# Altium PCB WordClock2.PcbDoc (part 2 of 3)
Units mil, origin at the board's own origin, x right, y up, seen from the top; angles counter-clockwise.
Board outline 10494.49 x 10494.49 mil, 2 copper layers (Top Layer, Bottom Layer), stack 61.811 mil thick; 527 components, 268 nets, 1646 pads, 74 vias.
Unrouted connection lines stored in the file: 1.
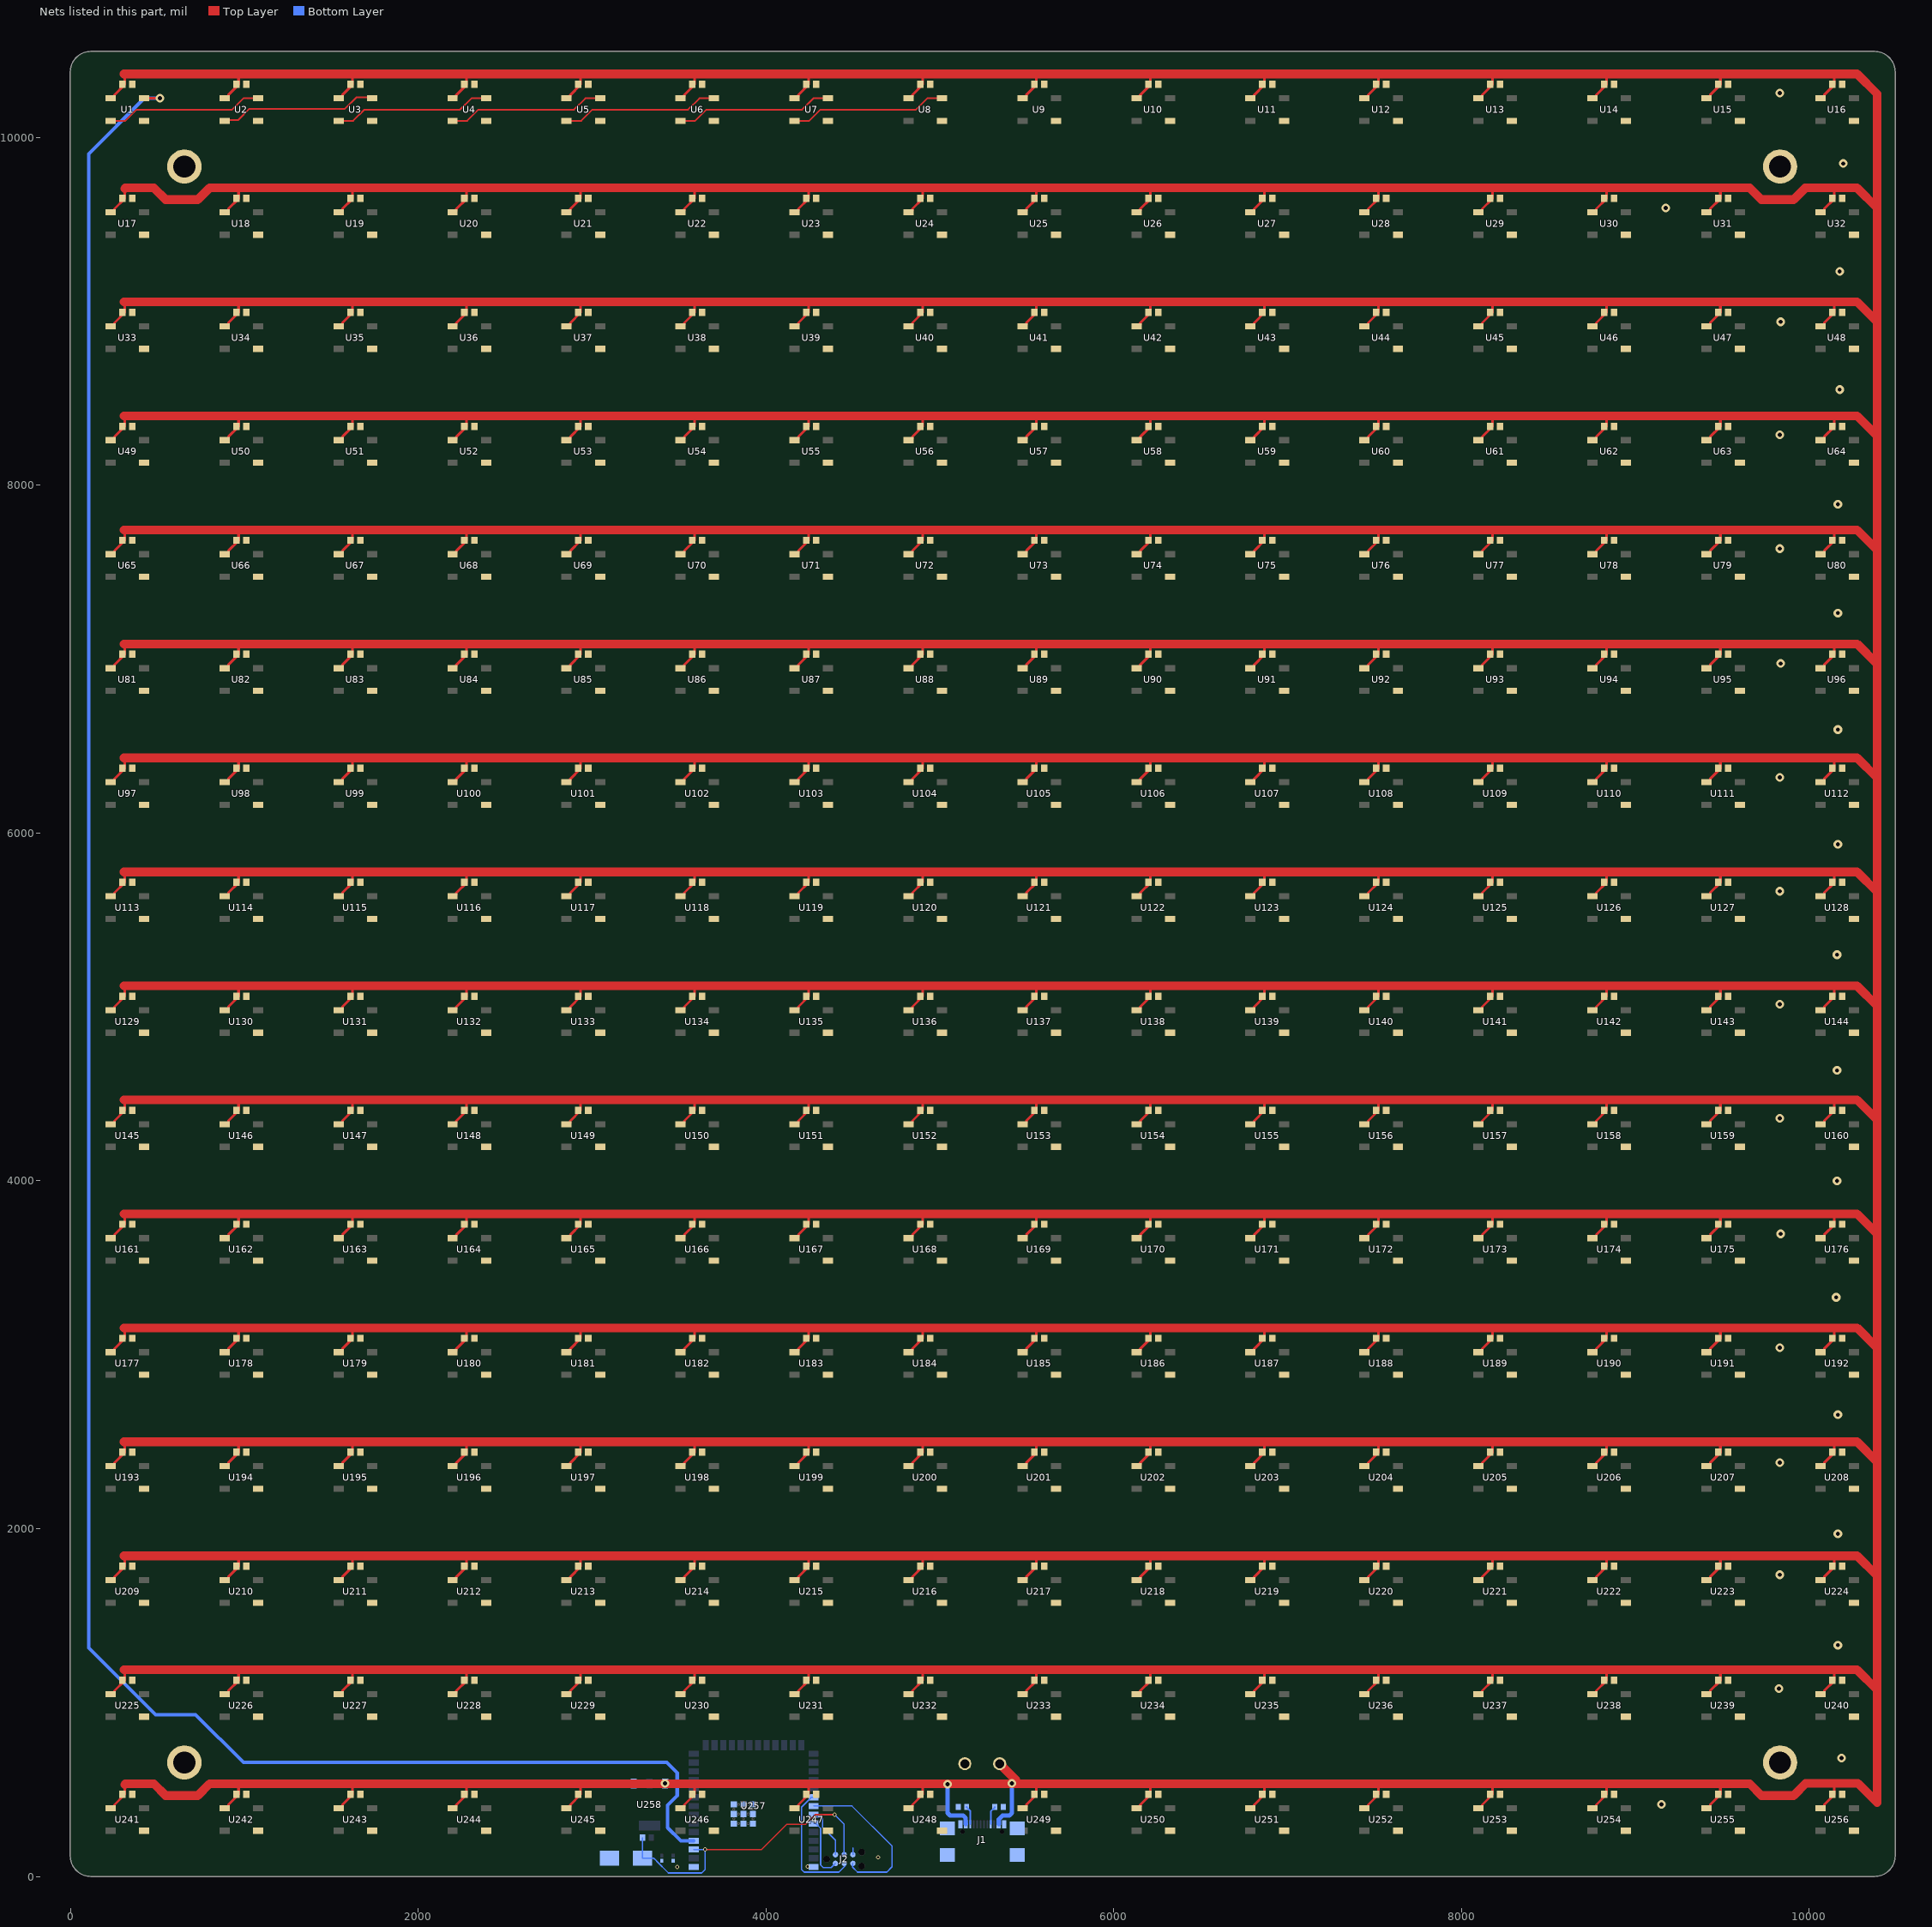
[diagram p2: the nets of this part, all layers, seen from the top]

## Via types
v1: diameter 50, hole 23.62, Top Layer to Bottom Layer, 69 vias
v2: diameter 23.62, hole 14, Top Layer to Bottom Layer, 5 vias

## Nets (pads, with @x,y where several pads share a name; then routed paths per layer and width w, separated by ;. In a path a pad name is that pad's centre, name@x,y a point inside that pad or via, vN(x,y) a via of type N, cw(c..) or ccw(c..) an arc to the next point about the centre after c; other vN are vias at no path point)
+5: C1.1 C2.1 C3.1 C4.1 C5.1 C6.1 C7.1 C8.1 C9.1 C10.1 C11.1 C12.1 C13.1 C14.1 C15.1 C16.1 C17.1 C18.1 C19.1 C20.1 C21.1 C22.1 C23.1 C24.1 C25.1 C26.1 C27.1 C28.1 C29.1 C30.1 C31.1 C32.1 C33.1 C34.1 C35.1 C36.1 C37.1 C38.1 C39.1 C40.1 C41.1 C42.1 C43.1 C44.1 C45.1 C46.1 C47.1 C48.1 C49.1 C50.1 C51.1 C52.1 C53.1 C54.1 C55.1 C56.1 C57.1 C58.1 C59.1 C60.1 C61.1 C62.1 C63.1 C64.1 C65.1 C66.1 C67.1 C68.1 C69.1 C70.1 C71.1 C72.1 C73.1 C74.1 C75.1 C76.1 C77.1 C78.1 C79.1 C80.1 C81.1 C82.1 C83.1 C84.1 C85.1 C86.1 C87.1 C88.1 C89.1 C90.1 C91.1 C92.1 C93.1 C94.1 C95.1 C96.1 C97.1 C98.1 C99.1 C100.1 C101.1 C102.1 C103.1 C104.1 C105.1 C106.1 C107.1 C108.1 C109.1 C110.1 C111.1 C112.1 C113.1 C114.1 C115.1 C116.1 C117.1 C118.1 C119.1 C120.1 C121.1 C122.1 C123.1 C124.1 C125.1 C126.1 C127.1 C128.1 C129.1 C130.1 C131.1 C132.1 C133.1 C134.1 C135.1 C136.1 C137.1 C138.1 C139.1 C140.1 C141.1 C142.1 C143.1 C144.1 C145.1 C146.1 C147.1 C148.1 C149.1 C150.1 C151.1 C152.1 C153.1 C154.1 C155.1 C156.1 C157.1 C158.1 C159.1 C160.1 C161.1 C162.1 C163.1 C164.1 C165.1 C166.1 C167.1 C168.1 C169.1 C170.1 C171.1 C172.1 C173.1 C174.1 C175.1 C176.1 C177.1 C178.1 C179.1 C180.1 C181.1 C182.1 C183.1 C184.1 C185.1 C186.1 C187.1 C188.1 C189.1 C190.1 C191.1 C192.1 C193.1 C194.1 C195.1 C196.1 C197.1 C198.1 C199.1 C200.1 C201.1 C202.1 C203.1 C204.1 C205.1 C206.1 C207.1 C208.1 C209.1 C210.1 C211.1 C212.1 C213.1 C214.1 C215.1 C216.1 C217.1 C218.1 C219.1 C220.1 C221.1 C222.1 C223.1 C224.1 C225.1 C226.1 C227.1 C228.1 C229.1 C230.1 C231.1 C232.1 C233.1 C234.1 C235.1 C236.1 C237.1 C238.1 C239.1 C240.1 C241.1 C242.1 C243.1 C244.1 C245.1 C246.1 C247.1 C248.1 C249.1 C250.1 C251.1 C252.1 C253.1 C254.1 C255.1 C256.1 E1.A1 J1.A4-B9 J1.B4-A9 U1.1 U2.1 U3.1 U4.1 U5.1 U6.1 U7.1 U8.1 U9.1 U10.1 U11.1 U12.1 U13.1 U14.1 U15.1 U16.1 U17.1 U18.1 U19.1 U20.1 U21.1 U22.1 U23.1 U24.1 U25.1 U26.1 U27.1 U28.1 U29.1 U30.1 U31.1 U32.1 U33.1 U34.1 U35.1 U36.1 U37.1 U38.1 U39.1 U40.1 U41.1 U42.1 U43.1 U44.1 U45.1 U46.1 U47.1 U48.1 U49.1 U50.1 U51.1 U52.1 U53.1 U54.1 U55.1 U56.1 U57.1 U58.1 U59.1 U60.1 U61.1 U62.1 U63.1 U64.1 U65.1 U66.1 U67.1 U68.1 U69.1 U70.1 U71.1 U72.1 U73.1 U74.1 U75.1 U76.1 U77.1 U78.1 U79.1 U80.1 U81.1 U82.1 U83.1 U84.1 U85.1 U86.1 U87.1 U88.1 U89.1 U90.1 U91.1 U92.1 U93.1 U94.1 U95.1 U96.1 U97.1 U98.1 U99.1 U100.1 U101.1 U102.1 U103.1 U104.1 U105.1 U106.1 U107.1 U108.1 U109.1 U110.1 U111.1 U112.1 U113.1 U114.1 U115.1 U116.1 U117.1 U118.1 U119.1 U120.1 U121.1 U122.1 U123.1 U124.1 U125.1 U126.1 U127.1 U128.1 U129.1 U130.1 U131.1 U132.1 U133.1 U134.1 U135.1 U136.1 U137.1 U138.1 U139.1 U140.1 U141.1 U142.1 U143.1 U144.1 U145.1 U146.1 U147.1 U148.1 U149.1 U150.1 U151.1 U152.1 U153.1 U154.1 U155.1 U156.1 U157.1 U158.1 U159.1 U160.1 U161.1 U162.1 U163.1 U164.1 U165.1 U166.1 U167.1 U168.1 U169.1 U170.1 U171.1 U172.1 U173.1 U174.1 U175.1 U176.1 U177.1 U178.1 U179.1 U180.1 U181.1 U182.1 U183.1 U184.1 U185.1 U186.1 U187.1 U188.1 U189.1 U190.1 U191.1 U192.1 U193.1 U194.1 U195.1 U196.1 U197.1 U198.1 U199.1 U200.1 U201.1 U202.1 U203.1 U204.1 U205.1 U206.1 U207.1 U208.1 U209.1 U210.1 U211.1 U212.1 U213.1 U214.1 U215.1 U216.1 U217.1 U218.1 U219.1 U220.1 U221.1 U222.1 U223.1 U224.1 U225.1 U226.1 U227.1 U228.1 U229.1 U230.1 U231.1 U232.1 U233.1 U234.1 U235.1 U236.1 U237.1 U238.1 U239.1 U240.1 U241.1 U242.1 U243.1 U244.1 U245.1 U246.1 U247.1 U248.1 U249.1 U250.1 U251.1 U252.1 U253.1 U254.1 U255.1 U256.1 U258.3 | length 219397
  Top Layer w15: U241.1@231.3,392.72 243.11,392.72 253.33,402.93 253.33,412.11 312.01,470.79 312.01,472.76 312.01,527.64 ; U225.1@231.3,1048.23 243.11,1048.23 253.33,1058.44 253.33,1067.62 312.01,1126.3 312.01,1128.27 312.01,1183.15 307.32,1187.83 ; U209.1@231.3,1703.74 243.11,1703.74 253.33,1713.96 253.33,1723.13 312.01,1781.81 312.01,1783.78 312.01,1838.66 307.32,1843.35 ; U193.1@231.3,2359.25 243.11,2359.25 253.33,2369.47 253.33,2378.64 312.01,2437.32 312.01,2494.17 307.32,2498.86 ; U177.1@231.3,3014.76 243.11,3014.76 253.33,3024.98 253.33,3034.15 312.01,3092.83 312.01,3094.8 312.01,3149.69 307.32,3154.37 ; U161.1@231.3,3670.27 243.11,3670.27 253.33,3680.49 253.33,3689.67 312.01,3748.35 312.01,3750.31 312.01,3805.2 307.32,3809.88 ; U145.1@231.3,4325.79 243.11,4325.79 253.33,4336 253.33,4345.18 312.01,4403.86 312.01,4405.83 312.01,4460.71 307.32,4465.39 ; U129.1@231.3,4981.3 243.11,4981.3 253.33,4991.51 253.33,5000.69 312.01,5059.37 312.01,5116.22 307.32,5120.9 ; U113.1@231.3,5636.81 243.11,5636.81 253.33,5647.03 253.33,5656.2 312.01,5714.88 312.01,5716.85 312.01,5771.73 307.32,5776.42 ; U97.1@231.3,6292.32 243.11,6292.32 253.33,6302.54 253.33,6311.71 312.01,6370.39 312.01,6372.36 312.01,6427.24 307.32,6431.93 ; U81.1@231.3,6947.83 243.11,6947.83 253.33,6958.05 253.33,6967.22 312.01,7025.9 312.01,7082.75 307.32,7087.44 ; U65.1@231.3,7603.35 243.11,7603.34 253.33,7613.56 253.33,7622.74 312.01,7681.42 312.01,7738.27 307.32,7742.95 ; U49.1@231.3,8258.86 243.11,8258.86 253.33,8269.07 253.33,8278.25 312.01,8336.93 312.01,8338.9 312.01,8393.78 307.32,8398.46 ; U33.1@231.3,8914.37 243.11,8914.37 253.33,8924.59 253.33,8933.76 312.01,8992.44 312.01,8994.41 312.01,9049.29 307.32,9053.98 ; U17.1@231.3,9569.88 243.11,9569.88 253.33,9580.1 253.33,9589.27 312.01,9647.95 312.01,9649.92 312.01,9704.8 ; U1.1@231.3,10225.39 243.11,10225.39 253.33,10235.61 253.33,10244.78 312.01,10303.47 312.01,10305.43 312.01,10360.32 307.32,10365 ; U242.1@886.81,392.72 898.62,392.72 908.84,402.93 908.84,412.11 967.52,470.79 967.52,527.64 ; U226.1@886.81,1048.23 898.62,1048.23 908.84,1058.44 908.84,1067.62 967.52,1126.3 967.52,1183.15 962.83,1187.83 ; U210.1@886.81,1703.74 898.62,1703.74 908.84,1713.96 908.84,1723.13 967.52,1781.81 967.52,1838.66 962.83,1843.35 ; U194.1@886.81,2359.25 898.62,2359.25 908.84,2369.47 908.84,2378.64 967.52,2437.32 967.52,2494.17 962.83,2498.86 ; U178.1@886.81,3014.76 898.62,3014.76 908.84,3024.98 908.84,3034.15 967.52,3092.83 967.52,3149.69 962.83,3154.37 ; U162.1@886.81,3670.27 898.62,3670.27 908.84,3680.49 908.84,3689.67 967.52,3748.35 967.52,3805.2 962.83,3809.88 ; U146.1@886.81,4325.79 898.62,4325.79 908.84,4336 908.84,4345.18 967.52,4403.86 967.52,4460.71 962.83,4465.39 ; U130.1@886.81,4981.3 898.62,4981.3 908.84,4991.51 908.84,5000.69 967.52,5059.37 967.52,5116.22 962.83,5120.9 ; U114.1@886.81,5636.81 898.62,5636.81 908.84,5647.03 908.84,5656.2 967.52,5714.88 967.52,5771.73 962.83,5776.42 ; U98.1@886.81,6292.32 898.62,6292.32 908.84,6302.54 908.84,6311.71 967.52,6370.39 967.52,6427.24 962.83,6431.93 ; U82.1@886.81,6947.83 898.62,6947.83 908.84,6958.05 908.84,6967.22 967.52,7025.9 967.52,7082.75 962.83,7087.44 ; U66.1@886.81,7603.35 898.62,7603.34 908.84,7613.56 908.84,7622.74 967.52,7681.42 967.52,7738.27 962.83,7742.95 ; U50.1@886.81,8258.86 898.62,8258.86 908.84,8269.07 908.84,8278.25 967.52,8336.93 967.52,8393.78 962.83,8398.46 ; U34.1@886.81,8914.37 898.62,8914.37 908.84,8924.59 908.84,8933.76 967.52,8992.44 967.52,9049.29 962.83,9053.98 ; U18.1@886.81,9569.88 898.62,9569.88 908.84,9580.1 908.84,9589.27 967.52,9647.95 967.52,9704.8 ; U2.1@886.81,10225.39 898.62,10225.39 908.84,10235.61 908.84,10244.78 967.52,10303.47 967.52,10360.32 962.83,10365 ; U243.1@1542.32,392.72 1554.13,392.72 1564.35,402.93 1564.35,412.11 1623.03,470.79 1623.03,527.64 1618.35,532.32 ; U227.1@1542.32,1048.23 1554.13,1048.23 1564.35,1058.44 1564.35,1067.62 1623.03,1126.3 1623.03,1183.15 1618.35,1187.83 ; U211.1@1542.32,1703.74 1554.13,1703.74 1564.35,1713.96 1564.35,1723.13 1623.03,1781.81 1623.03,1838.66 1618.35,1843.35 ; U195.1@1542.32,2359.25 1554.13,2359.25 1564.35,2369.47 1564.35,2378.64 1623.03,2437.32 1623.03,2494.17 1618.35,2498.86 ; U179.1@1542.32,3014.76 1554.13,3014.76 1564.35,3024.98 1564.35,3034.15 1623.03,3092.83 1623.03,3149.69 1618.35,3154.37 ; U163.1@1542.32,3670.27 1554.13,3670.27 1564.35,3680.49 1564.35,3689.67 1623.03,3748.35 1623.03,3805.2 1618.35,3809.88 ; U147.1@1542.32,4325.79 1554.13,4325.79 1564.35,4336 1564.35,4345.18 1623.03,4403.86 1623.03,4460.71 1618.35,4465.39 ; U131.1@1542.32,4981.3 1554.13,4981.3 1564.35,4991.51 1564.35,5000.69 1623.03,5059.37 1623.03,5116.22 1618.35,5120.9 ; U115.1@1542.32,5636.81 1554.13,5636.81 1564.35,5647.03 1564.35,5656.2 1623.03,5714.88 1623.03,5771.73 1618.35,5776.42 ; U99.1@1542.32,6292.32 1554.13,6292.32 1564.35,6302.54 1564.35,6311.71 1623.03,6370.39 1623.03,6427.24 1618.35,6431.93 ; U83.1@1542.32,6947.83 1554.13,6947.83 1564.35,6958.05 1564.35,6967.22 1623.03,7025.9 1623.03,7082.75 1618.35,7087.44 ; U67.1@1542.32,7603.35 1554.13,7603.34 1564.35,7613.56 1564.35,7622.74 1623.03,7681.42 1623.03,7738.27 1618.35,7742.95 ; U51.1@1542.32,8258.86 1554.13,8258.86 1564.35,8269.07 1564.35,8278.25 1623.03,8336.93 1623.03,8393.78 1618.35,8398.46 ; U35.1@1542.32,8914.37 1554.13,8914.37 1564.35,8924.59 1564.35,8933.76 1623.03,8992.44 1623.03,9049.29 1618.35,9053.98 ; U19.1@1542.32,9569.88 1554.13,9569.88 1564.35,9580.1 1564.35,9589.27 1623.03,9647.95 1623.03,9704.8 1618.35,9709.49 ; U3.1@1542.32,10225.39 1554.13,10225.39 1564.35,10235.61 1564.35,10244.78 1623.03,10303.47 1623.03,10360.32 1618.35,10365 ; U244.1@2197.84,392.72 2209.64,392.72 2219.86,402.93 2219.86,412.11 2278.54,470.79 2278.54,527.64 2273.86,532.32 ; U228.1@2197.84,1048.23 2209.64,1048.23 2219.86,1058.44 2219.86,1067.62 2278.54,1126.3 2278.54,1183.15 2273.86,1187.83 ; U212.1@2197.84,1703.74 2209.64,1703.74 2219.86,1713.96 2219.86,1723.13 2278.54,1781.81 2278.54,1838.66 2273.86,1843.35 ; U196.1@2197.84,2359.25 2209.64,2359.25 2219.86,2369.47 2219.86,2378.64 2278.54,2437.32 2278.54,2494.17 2273.86,2498.86 ; U180.1@2197.84,3014.76 2209.64,3014.76 2219.86,3024.98 2219.86,3034.15 2278.54,3092.83 2278.54,3149.69 2273.86,3154.37 ; U164.1@2197.84,3670.27 2209.64,3670.27 2219.86,3680.49 2219.86,3689.67 2278.54,3748.35 2278.54,3805.2 2273.86,3809.88 ; U148.1@2197.84,4325.79 2209.64,4325.79 2219.86,4336 2219.86,4345.18 2278.54,4403.86 2278.54,4460.71 2273.86,4465.39 ; U132.1@2197.84,4981.3 2209.64,4981.3 2219.86,4991.51 2219.86,5000.69 2278.54,5059.37 2278.54,5116.22 2273.86,5120.9 ; U116.1@2197.84,5636.81 2209.64,5636.81 2219.86,5647.03 2219.86,5656.2 2278.54,5714.88 2278.54,5771.73 2273.86,5776.42 ; U100.1@2197.84,6292.32 2209.64,6292.32 2219.86,6302.54 2219.86,6311.71 2278.54,6370.39 2278.54,6427.24 2273.86,6431.93 ; U84.1@2197.84,6947.83 2209.64,6947.83 2219.86,6958.05 2219.86,6967.22 2278.54,7025.9 2278.54,7082.75 2273.86,7087.44 ; U68.1@2197.84,7603.35 2209.64,7603.34 2219.86,7613.56 2219.86,7622.74 2278.54,7681.42 2278.54,7738.27 2273.86,7742.95 ; U52.1@2197.84,8258.86 2209.64,8258.86 2219.86,8269.07 2219.86,8278.25 2278.54,8336.93 2278.54,8393.78 2273.86,8398.46 ; U36.1@2197.84,8914.37 2209.64,8914.37 2219.86,8924.59 2219.86,8933.76 2278.54,8992.44 2278.54,9049.29 2273.86,9053.98 ; U20.1@2197.84,9569.88 2209.64,9569.88 2219.86,9580.1 2219.86,9589.27 2278.54,9647.95 2278.54,9704.8 2273.86,9709.49 ; U4.1@2197.84,10225.39 2209.64,10225.39 2219.86,10235.61 2219.86,10244.78 2278.54,10303.47 2278.54,10360.32 2273.86,10365 ; U245.1@2853.35,392.72 2865.16,392.72 2875.37,402.93 2875.37,412.11 2934.05,470.79 2934.05,472.76 2934.05,527.64 2929.37,532.32 ; U229.1@2853.35,1048.23 2865.16,1048.23 2875.37,1058.44 2875.37,1067.62 2934.05,1126.3 2934.05,1128.27 2934.05,1183.15 2929.37,1187.83 ; U213.1@2853.35,1703.74 2865.16,1703.74 2875.37,1713.96 2875.37,1723.13 2934.05,1781.81 2934.05,1783.78 2934.05,1838.66 2929.37,1843.35 ; U197.1@2853.35,2359.25 2865.16,2359.25 2875.37,2369.47 2875.37,2378.64 2934.05,2437.32 2934.05,2494.17 2929.37,2498.86 ; U181.1@2853.35,3014.76 2865.16,3014.76 2875.37,3024.98 2875.37,3034.15 2934.05,3092.83 2934.05,3094.8 2934.05,3149.69 2929.37,3154.37 ; U165.1@2853.35,3670.27 2865.16,3670.27 2875.37,3680.49 2875.37,3689.67 2934.05,3748.35 2934.05,3750.31 2934.05,3805.2 2929.37,3809.88 ; U149.1@2853.35,4325.79 2865.16,4325.79 2875.37,4336 2875.37,4345.18 2934.05,4403.86 2934.05,4405.83 2934.05,4460.71 2929.37,4465.39 ; U133.1@2853.35,4981.3 2865.16,4981.3 2875.37,4991.51 2875.37,5000.69 2934.05,5059.37 2934.05,5116.22 2929.37,5120.9 ; U117.1@2853.35,5636.81 2865.16,5636.81 2875.37,5647.03 2875.37,5656.2 2934.05,5714.88 2934.05,5716.85 2934.05,5771.73 2929.37,5776.42 ; U101.1@2853.35,6292.32 2865.16,6292.32 2875.37,6302.54 2875.37,6311.71 2934.05,6370.39 2934.05,6372.36 2934.05,6427.24 2929.37,6431.93 ; U85.1@2853.35,6947.83 2865.16,6947.83 2875.37,6958.05 2875.37,6967.22 2934.05,7025.9 2934.05,7082.75 2929.37,7087.44 ; U69.1@2853.35,7603.35 2865.16,7603.34 2875.37,7613.56 2875.37,7622.74 2934.05,7681.42 2934.05,7738.27 2929.37,7742.95 ; U53.1@2853.35,8258.86 2865.16,8258.86 2875.37,8269.07 2875.37,8278.25 2934.05,8336.93 2934.05,8338.9 2934.05,8393.78 2929.37,8398.46 ; U37.1@2853.35,8914.37 2865.16,8914.37 2875.37,8924.59 2875.37,8933.76 2934.05,8992.44 2934.05,8994.41 2934.05,9049.29 2929.37,9053.98 ; U21.1@2853.35,9569.88 2865.16,9569.88 2875.37,9580.1 2875.37,9589.27 2934.05,9647.95 2934.05,9704.8 2929.37,9709.49 ; U5.1@2853.35,10225.39 2865.16,10225.39 2875.37,10235.61 2875.37,10244.78 2934.05,10303.47 2934.05,10305.43 2934.05,10360.32 2929.37,10365 ; U246.1@3508.86,392.72 3520.67,392.72 3530.89,402.93 3530.89,412.11 3589.57,470.79 3589.57,527.64 3584.88,532.32 ; U230.1@3508.86,1048.23 3520.67,1048.23 3530.89,1058.44 3530.89,1067.62 3589.57,1126.3 3589.57,1183.15 3584.88,1187.83 ; U214.1@3508.86,1703.74 3520.67,1703.74 3530.89,1713.96 3530.89,1723.13 3589.57,1781.81 3589.57,1838.66 3584.88,1843.35 ; U198.1@3508.86,2359.25 3520.67,2359.25 3530.89,2369.47 3530.89,2378.64 3589.57,2437.32 3589.57,2494.17 3584.88,2498.86 ; U182.1@3508.86,3014.76 3520.67,3014.76 3530.89,3024.98 3530.89,3034.15 3589.57,3092.83 3589.57,3149.69 3584.88,3154.37 ; U166.1@3508.86,3670.27 3520.67,3670.27 3530.89,3680.49 3530.89,3689.67 3589.57,3748.35 3589.57,3805.2 3584.88,3809.88 ; U150.1@3508.86,4325.79 3520.67,4325.79 3530.89,4336 3530.89,4345.18 3589.57,4403.86 3589.57,4460.71 3584.88,4465.39 ; U134.1@3508.86,4981.3 3520.67,4981.3 3530.89,4991.51 3530.89,5000.69 3589.57,5059.37 3589.57,5116.22 3584.88,5120.9 ; U118.1@3508.86,5636.81 3520.67,5636.81 3530.89,5647.03 3530.89,5656.2 3589.57,5714.88 3589.57,5771.73 3584.88,5776.42 ; U102.1@3508.86,6292.32 3520.67,6292.32 3530.89,6302.54 3530.89,6311.71 3589.57,6370.39 3589.57,6427.24 3584.88,6431.93 ; U86.1@3508.86,6947.83 3520.67,6947.83 3530.89,6958.05 3530.89,6967.22 3589.57,7025.9 3589.57,7082.75 3584.88,7087.44 ; U70.1@3508.86,7603.35 3520.67,7603.34 3530.89,7613.56 3530.89,7622.74 3589.57,7681.42 3589.57,7738.27 3584.88,7742.95 ; U54.1@3508.86,8258.86 3520.67,8258.86 3530.89,8269.07 3530.89,8278.25 3589.57,8336.93 3589.57,8393.78 3584.88,8398.46 ; U38.1@3508.86,8914.37 3520.67,8914.37 3530.89,8924.59 3530.89,8933.76 3589.57,8992.44 3589.57,9049.29 3584.88,9053.98 ; U22.1@3508.86,9569.88 3520.67,9569.88 3530.89,9580.1 3530.89,9589.27 3589.57,9647.95 3589.57,9704.8 3584.88,9709.49 ; U6.1@3508.86,10225.39 3520.67,10225.39 3530.89,10235.61 3530.89,10244.78 3589.57,10303.47 3589.57,10360.32 3584.88,10365 ; U247.1@4164.37,392.72 4176.18,392.72 4186.4,402.93 4186.4,412.11 4245.08,470.79 4245.08,527.64 4240.39,532.32 ; U231.1@4164.37,1048.23 4176.18,1048.23 4186.4,1058.44 4186.4,1067.62 4245.08,1126.3 4245.08,1183.15 4240.39,1187.83 ; U215.1@4164.37,1703.74 4176.18,1703.74 4186.4,1713.96 4186.4,1723.13 4245.08,1781.81 4245.08,1838.66 4240.39,1843.35 ; U199.1@4164.37,2359.25 4176.18,2359.25 4186.4,2369.47 4186.4,2378.64 4245.08,2437.32 4245.08,2494.17 4240.39,2498.86 ; U183.1@4164.37,3014.76 4176.18,3014.76 4186.4,3024.98 4186.4,3034.15 4245.08,3092.83 4245.08,3149.69 4240.39,3154.37 ; U167.1@4164.37,3670.27 4176.18,3670.27 4186.4,3680.49 4186.4,3689.67 4245.08,3748.35 4245.08,3805.2 4240.39,3809.88 ; U151.1@4164.37,4325.79 4176.18,4325.79 4186.4,4336 4186.4,4345.18 4245.08,4403.86 4245.08,4460.71 4240.39,4465.39 ; U135.1@4164.37,4981.3 4176.18,4981.3 4186.4,4991.51 4186.4,5000.69 4245.08,5059.37 4245.08,5116.22 4240.39,5120.9 ; U119.1@4164.37,5636.81 4176.18,5636.81 4186.4,5647.03 4186.4,5656.2 4245.08,5714.88 4245.08,5771.73 4240.39,5776.42 ; U103.1@4164.37,6292.32 4176.18,6292.32 4186.4,6302.54 4186.4,6311.71 4245.08,6370.39 4245.08,6427.24 4240.39,6431.93 ; U87.1@4164.37,6947.83 4176.18,6947.83 4186.4,6958.05 4186.4,6967.22 4245.08,7025.9 4245.08,7082.75 4240.39,7087.44 ; U71.1@4164.37,7603.35 4176.18,7603.34 4186.4,7613.56 4186.4,7622.74 4245.08,7681.42 4245.08,7738.27 4240.39,7742.95 ; U55.1@4164.37,8258.86 4176.18,8258.86 4186.4,8269.07 4186.4,8278.25 4245.08,8336.93 4245.08,8393.78 4240.39,8398.46 ; U39.1@4164.37,8914.37 4176.18,8914.37 4186.4,8924.59 4186.4,8933.76 4245.08,8992.44 4245.08,9049.29 4240.39,9053.98 ; U23.1@4164.37,9569.88 4176.18,9569.88 4186.4,9580.1 4186.4,9589.27 4245.08,9647.95 4245.08,9704.8 4240.39,9709.49 ; U7.1@4164.37,10225.39 4176.18,10225.39 4186.4,10235.61 4186.4,10244.78 4245.08,10303.47 4245.08,10360.32 4240.39,10365 ; U248.1@4819.88,392.72 4831.69,392.72 4841.91,402.93 4841.91,412.11 4900.59,470.79 4900.59,472.76 4900.59,527.64 4895.91,532.32 ; U232.1@4819.88,1048.23 4831.69,1048.23 4841.91,1058.44 4841.91,1067.62 4900.59,1126.3 4900.59,1128.27 4900.59,1183.15 4895.91,1187.83 ; U216.1@4819.88,1703.74 4831.69,1703.74 4841.91,1713.96 4841.91,1723.13 4900.59,1781.81 4900.59,1783.78 4900.59,1838.66 4895.91,1843.35 ; U200.1@4819.88,2359.25 4831.69,2359.25 4841.91,2369.47 4841.91,2378.64 4900.59,2437.32 4900.59,2494.17 4895.91,2498.86 ; U184.1@4819.88,3014.76 4831.69,3014.76 4841.91,3024.98 4841.91,3034.15 4900.59,3092.83 4900.59,3094.8 4900.59,3149.69 4895.91,3154.37 ; U168.1@4819.88,3670.27 4831.69,3670.27 4841.91,3680.49 4841.91,3689.67 4900.59,3748.35 4900.59,3750.31 4900.59,3805.2 4895.91,3809.88 ; U152.1@4819.88,4325.79 4831.69,4325.79 4841.91,4336 4841.91,4345.18 4900.59,4403.86 4900.59,4405.83 4900.59,4460.71 4895.91,4465.39 ; U136.1@4819.88,4981.3 4831.69,4981.3 4841.91,4991.51 4841.91,5000.69 4900.59,5059.37 4900.59,5116.22 4895.91,5120.9 ; U120.1@4819.88,5636.81 4831.69,5636.81 4841.91,5647.03 4841.91,5656.2 4900.59,5714.88 4900.59,5716.85 4900.59,5771.73 4895.91,5776.42 ; U104.1@4819.88,6292.32 4831.69,6292.32 4841.91,6302.54 4841.91,6311.71 4900.59,6370.39 4900.59,6372.36 4900.59,6427.24 4895.91,6431.93 ; U88.1@4819.88,6947.83 4831.69,6947.83 4841.91,6958.05 4841.91,6967.22 4900.59,7025.9 4900.59,7082.75 4895.91,7087.44 ; U72.1@4819.88,7603.35 4831.69,7603.34 4841.91,7613.56 4841.91,7622.74 4900.59,7681.42 4900.59,7738.27 4895.91,7742.95 ; U56.1@4819.88,8258.86 4831.69,8258.86 4841.91,8269.07 4841.91,8278.25 4900.59,8336.93 4900.59,8338.9 4900.59,8393.78 4895.91,8398.46 ; U40.1@4819.88,8914.37 4831.69,8914.37 4841.91,8924.59 4841.91,8933.76 4900.59,8992.44 4900.59,8994.41 4900.59,9049.29 4895.91,9053.98 ; U24.1@4819.88,9569.88 4831.69,9569.88 4841.91,9580.1 4841.91,9589.27 4900.59,9647.95 4900.59,9704.8 4895.91,9709.49 ; U8.1@4819.88,10225.39 4831.69,10225.39 4841.91,10235.61 4841.91,10244.78 4900.59,10303.47 4900.59,10305.43 4900.59,10360.32 4895.91,10365 ; U249.1@5475.39,392.72 5487.2,392.72 5497.42,402.93 5497.42,412.11 5556.1,470.79 5556.1,472.76 5556.1,527.64 5551.42,532.32 ; U233.1@5475.39,1048.23 5487.2,1048.23 5497.42,1058.44 5497.42,1067.62 5556.1,1126.3 5556.1,1128.27 5556.1,1183.15 5551.42,1187.83 ; U217.1@5475.39,1703.74 5487.2,1703.74 5497.42,1713.96 5497.42,1723.13 5556.1,1781.81 5556.1,1783.78 5556.1,1838.66 5551.42,1843.35 ; U201.1@5475.39,2359.25 5487.2,2359.25 5497.42,2369.47 5497.42,2378.64 5556.1,2437.32 5556.1,2494.17 5551.42,2498.86 ; U185.1@5475.39,3014.76 5487.2,3014.76 5497.42,3024.98 5497.42,3034.15 5556.1,3092.83 5556.1,3094.8 5556.1,3149.69 5551.42,3154.37 ; U169.1@5475.39,3670.27 5487.2,3670.27 5497.42,3680.49 5497.42,3689.67 5556.1,3748.35 5556.1,3750.31 5556.1,3805.2 5551.42,3809.88 ; U153.1@5475.39,4325.79 5487.2,4325.79 5497.42,4336 5497.42,4345.18 5556.1,4403.86 5556.1,4405.83 5556.1,4460.71 5551.42,4465.39 ; U137.1@5475.39,4981.3 5487.2,4981.3 5497.42,4991.51 5497.42,5000.69 5556.1,5059.37 5556.1,5116.22 5551.42,5120.9 ; U121.1@5475.39,5636.81 5487.2,5636.81 5497.42,5647.03 5497.42,5656.2 5556.1,5714.88 5556.1,5716.85 5556.1,5771.73 5551.42,5776.42 ; U105.1@5475.39,6292.32 5487.2,6292.32 5497.42,6302.54 5497.42,6311.71 5556.1,6370.39 5556.1,6372.36 5556.1,6427.24 5551.42,6431.93 ; U89.1@5475.39,6947.83 5487.2,6947.83 5497.42,6958.05 5497.42,6967.22 5556.1,7025.9 5556.1,7082.75 5551.42,7087.44 ; U73.1@5475.39,7603.35 5487.2,7603.34 5497.42,7613.56 5497.42,7622.74 5556.1,7681.42 5556.1,7738.27 5551.42,7742.95 ; U57.1@5475.39,8258.86 5487.2,8258.86 5497.42,8269.07 5497.42,8278.25 5556.1,8336.93 5556.1,8338.9 5556.1,8393.78 5551.42,8398.46 ; U41.1@5475.39,8914.37 5487.2,8914.37 5497.42,8924.59 5497.42,8933.76 5556.1,8992.44 5556.1,8994.41 5556.1,9049.29 5551.42,9053.98 ; U25.1@5475.39,9569.88 5487.2,9569.88 5497.42,9580.1 5497.42,9589.27 5556.1,9647.95 5556.1,9704.8 5551.42,9709.49 ; U9.1@5475.39,10225.39 5487.2,10225.39 5497.42,10235.61 5497.42,10244.78 5556.1,10303.47 5556.1,10305.43 5556.1,10360.32 5551.42,10365 ; U250.1@6130.9,392.72 6142.72,392.72 6152.93,402.93 6152.93,412.11 6211.61,470.79 6211.61,527.64 6206.93,532.32 ; U234.1@6130.9,1048.23 6142.72,1048.23 6152.93,1058.44 6152.93,1067.62 6211.61,1126.3 6211.61,1183.15 6206.93,1187.83 ; U218.1@6130.9,1703.74 6142.72,1703.74 6152.93,1713.96 6152.93,1723.13 6211.61,1781.81 6211.61,1838.66 6206.93,1843.35 ; U202.1@6130.9,2359.25 6142.72,2359.25 6152.93,2369.47 6152.93,2378.64 6211.61,2437.32 6211.61,2494.17 6206.93,2498.86 ; U186.1@6130.9,3014.76 6142.72,3014.76 6152.93,3024.98 6152.93,3034.15 6211.61,3092.83 6211.61,3149.69 6206.93,3154.37 ; U170.1@6130.9,3670.27 6142.72,3670.27 6152.93,3680.49 6152.93,3689.67 6211.61,3748.35 6211.61,3805.2 6206.93,3809.88 ; U154.1@6130.9,4325.79 6142.72,4325.79 6152.93,4336 6152.93,4345.18 6211.61,4403.86 6211.61,4460.71 6206.93,4465.39 ; U138.1@6130.9,4981.3 6142.72,4981.3 6152.93,4991.51 6152.93,5000.69 6211.61,5059.37 6211.61,5116.22 6206.93,5120.9 ; U122.1@6130.9,5636.81 6142.72,5636.81 6152.93,5647.03 6152.93,5656.2 6211.61,5714.88 6211.61,5771.73 6206.93,5776.42 ; U106.1@6130.9,6292.32 6142.72,6292.32 6152.93,6302.54 6152.93,6311.71 6211.61,6370.39 6211.61,6427.24 6206.93,6431.93 ; U90.1@6130.9,6947.83 6142.72,6947.83 6152.93,6958.05 6152.93,6967.22 6211.61,7025.9 6211.61,7082.75 6206.93,7087.44 ; U74.1@6130.9,7603.35 6142.72,7603.34 6152.93,7613.56 6152.93,7622.74 6211.61,7681.42 6211.61,7738.27 6206.93,7742.95 ; U58.1@6130.9,8258.86 6142.72,8258.86 6152.93,8269.07 6152.93,8278.25 6211.61,8336.93 6211.61,8393.78 6206.93,8398.46 ; U42.1@6130.9,8914.37 6142.72,8914.37 6152.93,8924.59 6152.93,8933.76 6211.61,8992.44 6211.61,9049.29 6206.93,9053.98 ; U26.1@6130.9,9569.88 6142.72,9569.88 6152.93,9580.1 6152.93,9589.27 6211.61,9647.95 6211.61,9704.8 6206.93,9709.49 ; U10.1@6130.9,10225.39 6142.72,10225.39 6152.93,10235.61 6152.93,10244.78 6211.61,10303.47 6211.61,10360.32 6206.93,10365 ; U251.1@6786.42,392.72 6798.23,392.72 6808.44,402.93 6808.44,412.11 6867.12,470.79 6867.12,527.64 6862.44,532.32 ; U235.1@6786.42,1048.23 6798.23,1048.23 6808.44,1058.44 6808.44,1067.62 6867.12,1126.3 6867.12,1183.15 6862.44,1187.83 ; U219.1@6786.42,1703.74 6798.23,1703.74 6808.44,1713.96 6808.44,1723.13 6867.12,1781.81 6867.12,1838.66 6862.44,1843.35 ; U203.1@6786.42,2359.25 6798.23,2359.25 6808.44,2369.47 6808.44,2378.64 6867.12,2437.32 6867.12,2494.17 6862.44,2498.86 ; U187.1@6786.42,3014.76 6798.23,3014.76 6808.44,3024.98 6808.44,3034.15 6867.12,3092.83 